# Altium PCB DM3370.PcbDoc (part 6 of 9)
Units mm, origin at the board's own origin, x right, y up, seen from the top; angles counter-clockwise.
Board outline 114.8 x 103.43 mm, 6 copper layers (Top Copper, GND 1, PWR, Signal Layer 1, GND 2, Bottom Copper), stack 1.599 mm thick; 540 components, 427 nets, 2136 pads, 1770 vias.
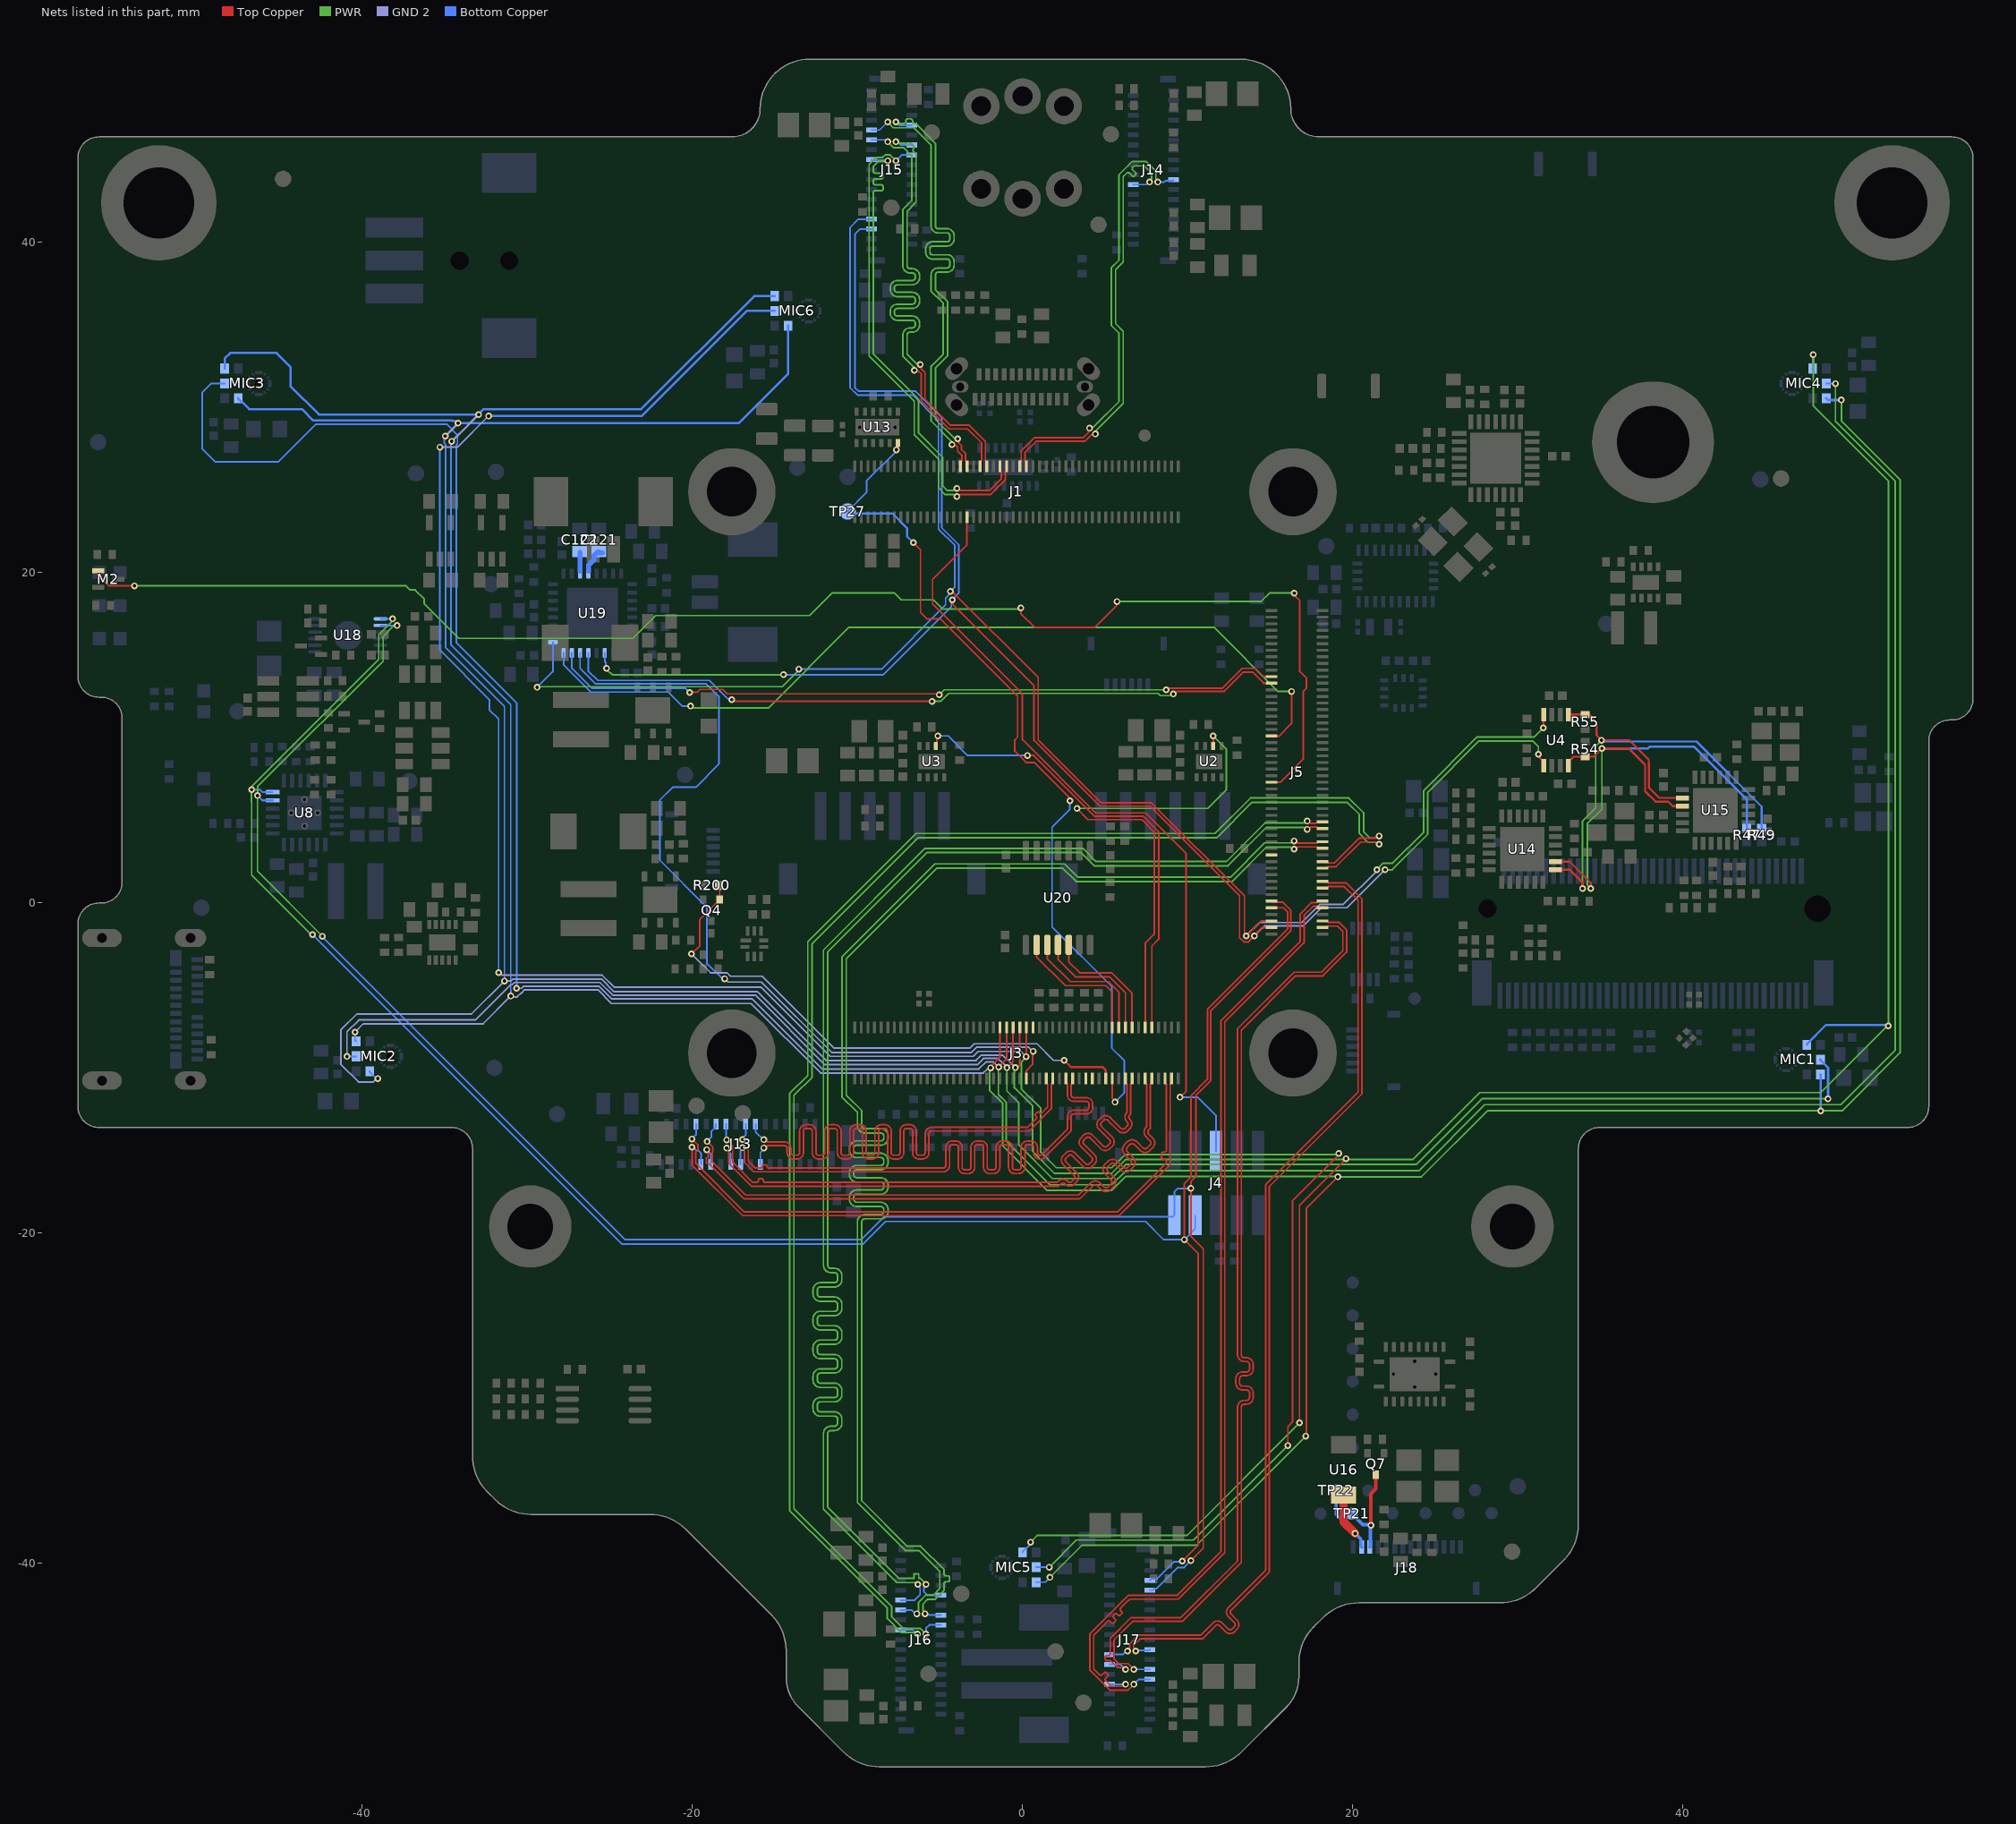
[diagram p10: the nets of this part, all layers, seen from the top]

## Via types
v1: diameter 0.406, hole 0.203, Top Copper to Bottom Copper, tented both sides, 1733 vias
v2: diameter 0.508, hole 0.254, Top Copper to Bottom Copper, 16 vias
v3: diameter 0.5, hole 0.2, Top Copper to Bottom Copper, 13 vias
v4: diameter 0.6, hole 0.3, Top Copper to Bottom Copper, 6 vias
v5: diameter 0.406, hole 0.203, Top Copper to Bottom Copper, 2 vias

## Nets (pads, with @x,y where several pads share a name; then routed paths per layer and width w, separated by ;. In a path a pad name is that pad's centre, name@x,y a point inside that pad or via, vN(x,y) a via of type N, cw(c..) or ccw(c..) an arc to the next point about the centre after c; other vN are vias at no path point) (continued)
I2C3_SCL: J5.96 J15.7 U4.4 U19.9 | length 116.7
  Top Copper w0.102: v1(-4.373,18.856) -4.29,18.856 -4.199,18.764 -4.165,18.764 0.95,13.649 0.95,9.867 4.762,6.055 7.807,6.055 13.443,0.419 13.443,-1.822 13.551,-1.93 v1(13.551,-2.012) ; v1@13.593,-1.956 14.447,-1.101 J5.96@15.092,-1.101 ; v1(31.55,10.6) 31.562,10.612 31.562,11.387 U4.4@31.575,11.4
  PWR w0.102: v1(-29.407,13.051) -29.369,13.089 -14.558,13.089 -13.547,14.099 v1(-13.547,14.156) ; v1(21.465,2.008) 21.857,2.4 22.422,2.4 24.3,4.278 24.3,6.804 27.546,10.05 31,10.05 v1(31.55,10.6)
  GND 2 w0.102: v1@13.506,-2.042 14.352,-1.196 16.916,-1.196 18.016,-0.096 19.435,-0.096 21.465,1.934 v1(21.465,2.008)
  Bottom Copper w0.102: v1(-29.407,13.051) -28.457,14.001 U19.9@-28.457,15.787 ; v1(-13.547,14.156) -8.544,14.156 -4.662,18.038 -4.662,18.449 v1@-4.262,18.85 ; J15.7@-9.15,41.407 -9.943,41.407 -10.45,40.9 -10.45,31.2 -10,30.75 -6.65,30.75 -5.098,29.198 -5.098,22.64 -4.1,21.642 -4.1,19.129 v1@-4.315,18.915
I2C3_SCL_3v3: R49.2 R55.1 U4.1 U14.19 U15.8 | length 34.9
  Top Copper w0.127: U14.19@32.275,2 32.279,1.996 33.166,1.996 33.925,1.237 v1(33.925,0.862) ; U4.1@33.075,11.4 R55.1@34.075,11.4 34.325,11.4 34.775,10.95 34.775,10.15 v1(35.075,9.85) 36.75,9.85 37.934,8.666 37.934,8.458 37.946,8.446 37.946,6.97 38.566,6.35 U15.8@39.975,6.35
  PWR w0.102: v1@33.923,0.86 33.923,4.946 34.72,5.743 34.72,9.495 v1(35.075,9.85)
  Bottom Copper w0.127: v1(35.075,9.85) 35.157,9.768 40.832,9.768 44.775,5.825 R49.2@44.775,4.55
I2C3_SDA: J5.98 J15.5 U4.5 U19.3 | length 109.2
  Top Copper w0.102: v1(-4.262,18.346) -4.225,18.309 -4.225,18.075 0.7,13.149 0.7,9.829 4.678,5.851 7.723,5.851 13.147,0.427 13.147,-2.112 13.403,-2.368 13.698,-2.368 14.046,-2.02 v1(14.046,-2.006) 14.046,-1.954 14.499,-1.501 J5.98@15.092,-1.501 ; v1(31.25,9) 31.308,8.942 31.308,8.817 31.575,8.55 U4.5@31.575,8.3
  PWR w0.102: v1(-25.198,14.207) -25.198,14.129 -24.949,13.88 -24.9,13.88 -24.835,13.816 v1(-14.487,13.816) ; v1(21.961,2) 22.392,2 24.55,4.158 24.55,6.7 27.65,9.8 30.9,9.8 31.25,9.45 v1(31.25,9)
  GND 2 w0.102: v1(14.046,-2.006) 14.394,-1.657 ; 14.395,-1.657 14.652,-1.4 17,-1.4 18.1,-0.3 19.661,-0.3 v1(21.961,2)
  Bottom Copper w0.102: U19.3@-25.307,15.137 -25.307,14.614 -25.256,14.563 -25.256,14.265 v1(-25.198,14.207) ; v1(-14.487,13.816) -14.471,13.8 -8.45,13.8 -4.311,17.939 -4.311,18.228 -4.346,18.263 -3.864,18.744 -3.864,21.694 -4.895,22.725 -4.895,29.395 -6.5,31 -9.95,31 -10.153,31.203 -10.153,40.497 -9.843,40.807 J15.5@-9.15,40.807
I2C3_SDA_3v3: R47.2 R54.1 U4.8 U14.20 U15.9 | length 33.9
  Top Copper w0.127: U14.20@32.275,2.5 32.279,2.496 33.143,2.496 34.425,1.214 v1(34.425,0.862) ; U4.8@33.075,8.3 33.075,8.55 33.375,8.85 R54.1@34.075,8.85 34.596,8.85 35.053,9.307 v1@35.053,9.403 ; U15.9@39.975,5.85 39.39,5.85 39.119,6.121 38.36,6.121 37.717,6.765 37.717,8.352 36.714,9.355 v1(35.101,9.355) ; v1@35.053,9.403 v1(35.101,9.355) ; v1@35.053,9.403 v1(35.101,9.355)
  PWR w0.102: v1(34.425,0.862) 34.425,0.883 34.216,1.092 34.216,4.786 35.101,5.671 v1(35.101,9.355)
  Bottom Copper w0.127: v1(35.101,9.355) 37.89,9.355 37.986,9.45 40.7,9.45 43.875,6.275 R47.2@43.875,4.55
I2C4_SCL: J4.2 J5.90 J17.7 U8.5 U18.2 | length 135.6
  Top Copper w0.102: v1(10.2,-39.85) 10.95,-39.1 10.95,-20.95 10.2,-20.2 v1(10.2,-17.3) 10.2,-16.888 10.5,-16.588 10.5,-11.676 11.404,-10.772 11.404,-6.533 16.254,-1.683 16.254,-0.469 15.736,0.048 15.143,0.048 J5.90@15.092,0.099
  PWR w0.102: v1(-42.416,-2.022) -46.35,1.912 v1(-46.35,6.494) -46.344,6.5 -46.344,7.034 -38.735,14.643 -38.735,16.126 -38.072,16.79 v1(-37.893,16.79)
  Bottom Copper w0.102: v1(-42.416,-2.022) -42.416,-2.051 -24.067,-20.4 -9.789,-20.4 -8.414,-19.025 9.09,-19.025 J4.2@9.191,-18.923 9.191,-17.509 9.4,-17.3 v1(10.2,-17.3) ; U18.2@-38.89,16.8 -38.884,16.795 -37.898,16.795 v1(-37.893,16.79) ; J17.7@7.713,-41.635 7.888,-41.635 7.987,-41.536 8.13,-41.536 9.409,-40.257 9.793,-40.257 v1(10.2,-39.85)
  Bottom Copper w0.127: v1(-46.35,6.494) -46.056,6.2 U8.5@-45.435,6.2
I2C4_SDA: J4.4 J5.92 J17.5 U8.6 U18.1 | length 137.5
  Top Copper w0.102: v1(9.669,-39.877) 10.628,-38.919 10.628,-21.228 v1(9.8,-20.4) 9.8,-17 10.206,-16.594 10.206,-11.682 11.2,-10.688 11.2,-6.449 16.05,-1.599 16.05,-0.554 15.797,-0.301 J5.92@15.092,-0.301
  PWR w0.102: v1(-43.018,-1.923) -43.089,-1.923 -46.7,1.688 -46.7,6.1 -46.706,6.106 -46.706,7.044 -39.007,14.743 -39.007,16.243 -38.17,17.08 v1(-38.17,17.2)
  Bottom Copper w0.102: v1(-46.7,6.85) -46.197,6.85 -46.047,6.7 U8.6@-45.435,6.7 ; v1(-43.018,-1.923) -24.266,-20.675 -9.675,-20.675 -8.3,-19.3 7.45,-19.3 8.55,-20.4 v1@9.805,-20.4 ; U18.1@-38.89,17.2 v1(-38.17,17.2) ; J17.5@7.713,-41.035 7.794,-40.954 8.119,-40.954 9.155,-39.917 9.63,-39.917 v1(9.669,-39.877) ; v1(9.8,-20.4) v1@9.805,-20.4 ; v1@9.805,-20.4 J4.4@10.461,-19.743 ; v1@9.805,-20.4 J4.4@10.461,-19.743 ; J4.4@10.461,-19.743 J4.4@10.461,-18.923 J4.4@10.461,-19.743
I2S0_I/O_SD0: J3.49 MIC1.6 MIC2.6 | length 107.8
  Top Copper w0.102: v1(-0.95,-9.986) -0.936,-9.986 -0.58,-9.63 -0.58,-7.555 J3.49@-0.577,-7.552
  PWR w0.102: v1(-0.95,-9.986) -0.95,-11.4 -0.229,-12.121 -0.229,-14.671 1.801,-16.701 5.4,-16.701 6.25,-15.851 23.852,-15.851 27.852,-11.851 v1@48.8,-11.851
  GND 2 w0.102: v1(-40.926,-9.311) -40.926,-7.812 -40.208,-7.094 -33.144,-7.094 -31.013,-4.963 -30.934,-4.963 -30.797,-4.827 -25.601,-4.827 -24.832,-5.596 -16.194,-5.596 -11.985,-9.806 -2.742,-9.806 -2.363,-9.427 -1.486,-9.427 -1.318,-9.595 -1.298,-9.595 -0.943,-9.95 v1@-0.943,-9.979
  Bottom Copper w0.102: v1(-40.926,-9.311) -40.385,-9.311 MIC2.6@-40.374,-9.3
  Bottom Copper w0.14: MIC1.6@48.339,-9.5 48.339,-9.539 48.8,-10 v1(48.8,-11.871)
I2S0_I/O_SD1: J3.47 MIC3.6 MIC4.6 | length 196.8
  Top Copper w0.102: v1(-1.445,-9.951) -1.445,-9.929 -0.968,-9.452 J3.47@-0.968,-7.561
  PWR w0.102: v1(-1.445,-9.951) -1.466,-9.971 -1.466,-11.596 -0.996,-12.066 -0.996,-14.435 1.645,-17.076 5.4,-17.076 6.25,-16.226 24.008,-16.226 28.008,-12.226 49.574,-12.226 52.862,-8.938 52.862,25.553 49.25,29.166 v1(49.25,31.45)
  GND 2 w0.102: v1(-30.65,-5.182) -30.644,-5.177 -30.356,-5.177 -30.246,-5.067 -25.649,-5.067 -24.891,-5.825 -16.381,-5.825 -12.137,-10.069 -2.647,-10.069 -2.208,-9.63 -1.785,-9.63 -1.465,-9.951 v1(-1.445,-9.951)
  Bottom Copper w0.102: MIC3.6@-48.339,31.459 -49.141,31.459 -49.7,30.9 -49.7,27.5 -48.9,26.7 -45.1,26.7 -42.807,28.993 -34.893,28.993 -34.233,28.333 -34.233,27.808 -34.311,27.73 -34.311,15.776 -30.65,12.115 v1(-30.65,-5.182) ; MIC4.6@48.689,31.459 48.698,31.45 v1(49.25,31.45)
I2S0_I/O_SD2: J3.53 MIC5.6 MIC6.6 | length 155.5
  Top Copper w0.102: v1(0.217,-9.313) 0.22,-9.31 0.22,-7.555 J3.53@0.223,-7.552 ; v1(16.071,-32.871) 16.071,-31.729 16.35,-31.45 16.35,-18.05 19.15,-15.25 v1(19.15,-15.182)
  PWR w0.102: v1(0.217,-9.313) 0.217,-9.353 -0.07,-9.64 -0.07,-11.28 1.1,-12.45 1.1,-15.104 2.046,-16.05 5.4,-16.05 6.198,-15.252 18.938,-15.252 18.95,-15.24 19.092,-15.24 v1(19.15,-15.182) ; v1(1.613,-40.245) 3.258,-38.6 10.342,-38.6 v1(16.071,-32.871)
  GND 2 w0.102: v1(-35.3,27.6) -34.229,27.6 v1(-32.35,29.479) ; v1(-31.742,-4.232) -31.677,-4.232 -31.53,-4.38 -25.472,-4.38 -24.746,-5.107 -15.856,-5.107 -11.663,-9.3 -2.993,-9.3 -2.693,-9 -0.096,-9 v1(0.217,-9.313)
  Bottom Copper w0.102: v1(-35.3,27.6) -35.3,15.3 -32.3,12.3 -32.3,11.688 -31.742,11.129 v1(-31.742,-4.232) ; MIC5.6@0.824,-40.25 0.829,-40.245 v1(1.613,-40.245)
  Bottom Copper w0.14: v1(-32.35,29.479) -23.071,29.479 -16.7,35.85 MIC6.6@-15.024,35.85
I2S0_I/O_SD3: J3.55
I2S0_SCK: J3.51 MIC1.4 MIC2.4 MIC3.4 MIC4.4 MIC5.4 MIC6.4 | length 274.1
  Top Copper w0.102: v1@-0.261,-9.931 -0.168,-9.838 J3.51@-0.168,-7.561 ; v1(16.774,-31.503) 16.774,-18.321 v1(19.6,-15.495)
  PWR w0.102: v1@-0.5,-9.989 -0.5,-11.2 0.61,-12.31 0.61,-15.067 1.931,-16.387 5.4,-16.387 6.25,-15.537 v1@19.6,-15.537 ; v1(0.481,-38.722) 0.879,-38.324 9.96,-38.324 v1@16.774,-31.51 ; v1(19.6,-15.495) 19.642,-15.537 23.663,-15.537 27.705,-11.495 48.355,-11.495 52.45,-7.4 52.45,25.553 47.9,30.103 v1(47.9,33.2)
  GND 2 w0.102: v1(-39.056,-10.645) -39.138,-10.645 -39.343,-10.85 -40.229,-10.85 -41.304,-9.776 -41.304,-7.706 -40.336,-6.738 -33.388,-6.738 v1(-31.386,-4.736) ; v1@-31.381,-4.74 -30.999,-4.74 -30.882,-4.623 -25.517,-4.623 -24.766,-5.374 -16.076,-5.374 -11.9,-9.55 -2.817,-9.55 -2.49,-9.223 -1.21,-9.223 -0.444,-9.989 v1(-0.436,-9.989)
  GND 2 w0.14: v1(-34.978,28.261) -34.978,28.267 -34.2,29.045 v1(-34.2,29.05)
  Bottom Copper w0.102: MIC2.4@-39.552,-10.2 -39.552,-10.239 -39.204,-10.587 -39.114,-10.587 v1(-39.056,-10.645) ; v1(-34.978,28.261) -35.036,28.203 -35.036,28.052 -35.039,28.049 -35.039,27.842 -34.944,27.747 -34.944,15.459 -31.386,11.901 v1(-31.386,-4.736) ; MIC5.4@0.002,-39.35 0.002,-39.311 0.423,-38.89 0.423,-38.78 v1(0.481,-38.722)
  Bottom Copper w0.14: MIC3.4@-47.517,30.559 -47.517,30.52 -47.326,30.329 -47.287,30.329 -46.856,29.898 -43.648,29.898 -42.965,29.215 -34.565,29.215 -34.55,29.2 -34.422,29.2 -34.272,29.05 v1(-34.2,29.05) -17.2,29.05 -14.202,32.048 MIC6.4@-14.202,34.95 ; MIC1.4@47.517,-8.6 47.517,-8.561 48.678,-7.4 52.4,-7.4 v1(52.45,-7.45) ; MIC4.4@47.867,32.359 47.9,32.392 v1(47.9,33.2)
I2S0_WS: J3.45 MIC1.1 MIC2.1 MIC3.1 MIC4.1 MIC5.1 MIC6.1 | length 266.5
  Top Copper w0.102: v1(-1.939,-9.997) -1.939,-9.924 -1.38,-9.366 -1.38,-7.555 J3.45@-1.377,-7.552 ; v1@17.194,-32.256 17.194,-18.506 v1(19.1,-16.6)
  PWR w0.102: v1(-1.939,-9.997) -1.997,-10.055 -1.997,-10.205 -2,-10.209 -2,-11.35 -1.2,-12.15 -1.2,-14.721 1.502,-17.423 5.4,-17.423 6.25,-16.573 19.073,-16.573 v1(19.1,-16.6) 24.163,-16.6 28.163,-12.6 v1(48.35,-12.6) 49.65,-12.6 53.158,-9.092 53.158,25.642 49.606,29.194 v1(49.606,30.45) ; v1(1.661,-40.862) 3.612,-38.911 10.539,-38.911 v1(17.15,-32.3)
  GND 2 w0.102: v1(-40.441,-7.831) -39.945,-7.334 -32.684,-7.334 v1(-31,-5.65) -30.944,-5.706 -30.625,-5.706 -30.386,-5.467 -30.358,-5.467 -30.162,-5.27 -25.734,-5.27 -24.904,-6.1 -16.447,-6.1 -12.235,-10.312 -2.377,-10.312 -2.15,-10.085 -2.109,-10.085 -2.021,-9.997 v1(-1.939,-9.997)
  GND 2 w0.14: v1(-34.588,27.956) -34.564,27.956 -33.575,28.945 -33.575,28.95 v1(-32.95,29.575)
  Bottom Copper w0.102: v1(-40.441,-7.831) -40.441,-8.333 MIC2.1@-40.374,-8.4 ; v1(-34.588,27.956) -34.628,27.916 -34.628,15.63 -31.009,12.011 -31.009,-5.326 -31,-5.336 v1(-31,-5.65) ; MIC5.1@0.824,-41.15 1.373,-41.15 v1(1.661,-40.862)
  Bottom Copper w0.14: MIC3.1@-48.339,32.359 -48.339,32.961 -48,33.3 -45.2,33.3 -44.35,32.45 -44.35,31.3 -42.625,29.575 v1(-32.95,29.575) -32.95,29.605 -32.654,29.901 -23.099,29.901 -16.25,36.75 MIC6.1@-15.024,36.75 ; MIC1.1@48.339,-10.4 48.35,-10.411 v1(48.35,-12.6) ; MIC4.1@48.689,30.559 48.798,30.45 v1(49.606,30.45)
I2S1_O_SD0: J3.54 U19.6 | length 53.7
  Top Copper w0.102: J3.54@0.232,-10.641 0.232,-10.168 0.6,-9.8 0.6,-9.032 v1(0.641,-8.991)
  GND 2 w0.102: v1(-18.042,-4.6) -18.03,-4.6 -17.83,-4.8 -15.826,-4.8 -11.561,-9.064 -3.101,-9.064 -2.791,-8.754 0.367,-8.754 v1@0.604,-8.991
  Bottom Copper w0.102: U19.6@-26.807,15.137 -26.807,14.207 -25.863,13.263 -19.163,13.263 -18.4,12.5 -18.4,8.4 -19.8,7 -21.2,7 -21.97,6.23 -21.97,2.57 -19.125,-0.275 -19.125,-3.656 -18.239,-4.542 -18.1,-4.542 v1(-18.042,-4.6)
I2S1_SCK: J5.22 U19.7 | length 45
  Top Copper w0.102: v1(-20.166,12.733) -20.144,12.756 -19.71,12.756 -19.537,12.929 -18.159,12.929 -17.884,12.654 -5.104,12.654 v1(-5.052,12.602) ; v1(8.7,12.9) 8.782,12.9 8.886,13.004 12.104,13.004 13.3,14.2 14.1,14.2 14.601,13.699 J5.22@15.092,13.699
  PWR w0.102: v1(-5.052,12.602) -4.753,12.9 v1(8.7,12.9)
  Bottom Copper w0.102: U19.7@-27.307,15.137 -27.307,14.207 -26.1,13 -20.433,13 v1(-20.166,12.733)
I2S1_WS: J5.24 U19.5 | length 44.4
  Top Copper w0.102: v1(-17.619,12.298) -17.536,12.298 -17.438,12.2 v1(-5.489,12.2) ; v1(9.126,12.648) 9.199,12.648 9.351,12.8 12.2,12.8 13.379,13.979 13.921,13.979 14.601,13.299 J5.24@15.092,13.299
  PWR w0.102: v1(-5.489,12.2) -4.95,12.2 -4.469,12.681 8.203,12.681 8.34,12.544 8.94,12.544 9.044,12.648 v1(9.126,12.648)
  Bottom Copper w0.102: U19.5@-26.307,15.137 -26.307,14.037 -25.736,13.466 -18.966,13.466 -17.857,12.357 -17.677,12.357 v1(-17.619,12.298)
IO78: J5.76
KB_PG: J1.36 J4.5 | length 49.1
  Top Copper w0.102: J1.36@-3.368,23.359 -3.373,23.354 -3.373,21.677 -5.45,19.6 -5.45,18.1 -0.012,12.662 -0.012,9.887 4.423,5.452 4.457,5.452 4.465,5.444 7.447,5.444 9.911,2.98 9.911,-11.401 9.544,-11.768 v1(9.544,-11.774)
  Bottom Copper w0.102: v1(9.544,-11.774) 10.605,-11.774 11.731,-12.9 J4.5@11.731,-15.023
KBIO_40: J3.80 TP27.1 U13.6 | length 53.2
  Top Copper w0.102: v1(-7.65,27.436) -7.6,27.487 -7.6,27.8 U13.6@-7.55,27.85 ; v1(-6.618,21.815) -6.18,21.377 -6.18,17.58 -5.8,17.2 -4.981,17.2 -0.3,12.519 -0.3,10.04 -0.47,9.871 -0.47,9.177 0.208,8.5 0.707,8.5 2.809,6.399 2.809,6.241 v1(2.867,6.183) ; J3.80@5.432,-10.641 5.432,-11.823 5.601,-11.992 v1(5.601,-12.075)
  Bottom Copper w0.102: TP27.1@-10.6,23.7 -9.45,24.85 -9.45,25.56 -8.61,26.4 -8.604,26.4 -7.65,27.354 v1(-7.65,27.436) ; v1(2.867,6.183) 2.867,5.667 1.789,4.589 1.789,-1.467 5.406,-5.083 5.406,-8.806 6.156,-9.556 6.156,-11.52 v1(5.601,-12.075)
  Bottom Copper w0.127: TP27.1@-10.6,23.7 -10.48,23.58 -7.88,23.58 -7,22.7 -7,22.197 v1(-6.618,21.815)
KBIO_41: J3.89 U2.6 | length 31
  Top Copper w0.102: v1(3.292,5.716) 3.292,5.708 3.96,5.04 4.293,5.04 4.296,5.037 7.225,5.037 7.978,4.284 7.978,-1.906 7.432,-2.452 J3.89@7.432,-7.561 ; U2.6@11.55,9.6 v1(11.55,10.107) v1@11.55,10.178
  PWR w0.102: v1(3.292,5.716) 11.217,5.716 12.35,6.85 12.35,9.307 v1(11.55,10.107)
KBIO_42: J3.83 U20.4 | length 7.9
  Top Copper w0.102: U20.4@2.15,-2.55 2.15,-3.426 3.209,-4.485 5.262,-4.485 6.232,-5.455 J3.83@6.232,-7.561
KBIO_43: J3.85 U20.5 | length 7.7
  Top Copper w0.102: U20.5@2.8,-2.55 2.8,-3.573 3.462,-4.236 5.388,-4.236 6.632,-5.48 J3.85@6.632,-7.561
KBIO_44: J3.78 Q4.1 R200.2 | length 33.4
  Top Copper w0.102: v1(-20.053,-3.092) -19.556,-2.594 -19.556,-1.006 -19.2,-0.65 Q4.1@-18.5,0.05 ; Q4.1@-18.35,0.2 R200.2@-18.35,1.1
  Top Copper w0.127: v1(2.525,-9.542) 2.926,-9.943 4.843,-9.943 5.032,-10.132 J3.78@5.032,-10.641
  GND 2 w0.102: v1(-20.053,-3.092) -19.668,-3.476 -18.9,-4.244 -17.895,-4.244 -17.689,-4.45 -15.767,-4.45 -11.417,-8.8 -3.2,-8.8 -2.941,-8.541 0.879,-8.541 1.88,-9.542 v1(2.525,-9.542)
KBIO_45: J3.91 U3.6 | length 28.5
  Top Copper w0.102: U3.6@-5.25,9.5 -5.19,9.56 -5.19,10.048 v1(-5.131,10.106) ; v1(0.291,8.923) 0.664,8.923 4.339,5.248 4.373,5.248 4.38,5.24 7.31,5.24 8.245,4.305 8.245,-2.205 7.832,-2.618 J3.91@7.832,-7.561
  Bottom Copper w0.102: v1(-5.131,10.106) -4.506,10.106 -3.323,8.923 v1(0.291,8.923)
KBIO_46: J3.79 U20.2 | length 8.4
  Top Copper w0.102: U20.2@0.85,-2.55 0.85,-3.274 2.591,-5.015 5.052,-5.015 5.432,-5.395 J3.79@5.432,-7.561
KBIO_47: J3.81 U20.3 | length 8.2
  Top Copper w0.102: U20.3@1.5,-2.55 1.5,-3.381 2.893,-4.774 5.204,-4.774 5.832,-5.403 J3.81@5.832,-7.561
LED_2: J5.54 M2.1 | length 90.7
  Top Copper w0.102: M2.1@-56,20.1 -56.007,20.093 -56.007,19.857 -55.35,19.2 v1(-53.8,19.2) ; v1(-0.101,17.856) v1(-0.101,17.856) -0.1,17.5 0.718,16.682 4.382,16.682 5.691,17.991 5.691,18.213 v1(5.73,18.252) ; J5.54@15.092,7.299 15.599,7.299 17,8.7 17,12.8 17.2,13 17.2,13.6 16.8,14 16.8,18.3 16.518,18.582 16.518,18.701 v1(16.46,18.76)
  PWR w0.102: v1(-53.8,19.2) -37.343,19.2 -37.099,18.956 -36.803,18.956 -36.244,18.397 -36.244,18.101 -34.157,16.014 -23.622,16.014 -22.235,17.4 -12.9,17.4 -11.531,18.769 -7.769,18.769 -7.345,18.345 -5.398,18.345 -4.853,17.8 -0.157,17.8 v1(-0.101,17.856) ; v1(5.73,18.252) 14.452,18.252 14.96,18.76 v1(16.46,18.76)
LED_A: J18.13 TP22.1 U16.2 | length 6.7
  Top Copper w0.5: U16.2@19.45,-35.875 19.45,-37.5 v1(20.15,-38.2)
  Bottom Copper w0.2: TP22.1@19,-35.6 19,-37.05 v1(20.15,-38.2) 20.487,-38.537 20.487,-38.972 J18.13@20.537,-39.022
LED_K: J18.12 Q7.3 TP21.1 | length 6
  Top Copper w0.2: v1(21.1,-37.7) 21.1,-35.8 21.4,-35.5 Q7.3@21.4,-34.65
  Bottom Copper w0.2: TP21.1@19.95,-37 20.611,-37.661 21.061,-37.661 v1(21.1,-37.7) 21.069,-37.731 21.069,-38.991 J18.12@21.037,-39.022
LLS+: C122.1 U19.19 | length 1.1
  Bottom Copper w0.3: U19.19@-26.812,20.087 C122.1@-26.812,21.233
LLS-: C121.1 U19.20 | length 1.7
  Bottom Copper w0.3: U19.20@-26.282,20.087 -26.282,20.462 -25.957,20.787 -25.957,21.037 -25.757,21.237 C121.1@-25.657,21.237 ; C121.1@-25.657,21.187 C121.1@-25.457,21.187
MCLK: J5.40 U19.8 | length 53
  Top Copper w0.102: J5.40@15.092,10.099 15.099,10.092 15.535,10.092 16.3,10.857 v1(16.3,12.8)
  PWR w0.102: v1(-20.113,11.911) -20.031,11.911 -19.92,11.8 -15.4,11.8 -10.518,16.682 11.604,16.682 15.485,12.8 v1(16.3,12.8)
  Bottom Copper w0.102: U19.8@-27.807,15.137 -27.807,14.419 -26.151,12.763 -21.477,12.763 -20.624,11.911 v1(-20.113,11.911)
MIPI_RX0_C_N: J3.84 J13.20 | length 39.2
  Top Copper w0.101: v1(-17.928,-14.36) -17.85,-14.36 -17.85,-14.431 -17.565,-14.716 -17.565,-15.705 -16.335,-16.936 -16.159,-16.936 -16.109,-16.936 ccw(c-16.109,-16.835) -16.008,-16.835 -16.008,-16.808 cw(c-15.917,-16.808) -15.917,-16.717 -15.795,-16.717 cw(c-15.795,-16.808) -15.704,-16.808 -15.704,-16.835 ccw(c-15.603,-16.835) -15.603,-16.936 -15.28,-16.936 0.764,-16.936 2.09,-16.936 2.17,-16.855 cw(c2.444,-17.129) 2.718,-16.855 2.748,-16.885 ; 2.748,-16.885 ccw(c2.861,-16.772) 2.974,-16.885 3.124,-16.735 ccw(c3.011,-16.622) 3.124,-16.509 2.467,-15.852 cw(c2.742,-15.578) 2.467,-15.304 2.618,-15.153 cw(c2.892,-15.427) 3.166,-15.153 3.823,-15.81 ccw(c3.936,-15.697) 4.049,-15.81 4.199,-15.66 ccw(c4.087,-15.547) 4.199,-15.434 3.542,-14.777 cw(c3.817,-14.503) 3.542,-14.229 3.693,-14.078 cw(c3.967,-14.352) 4.241,-14.078 4.898,-14.735 ccw(c5.011,-14.622) 5.124,-14.735 5.275,-14.585 ccw(c5.162,-14.472) 5.275,-14.359 4.618,-13.702 cw(c4.892,-13.428) 4.618,-13.154 4.768,-13.003 cw(c5.042,-13.277) 5.316,-13.003 5.973,-13.66 ccw(c6.086,-13.547) 6.199,-13.66 6.35,-13.509 ccw(c6.237,-13.397) 6.35,-13.284 6.32,-13.254 cw(c6.594,-12.98) 6.318,-12.707 6.318,-11.816 6.318,-10.987 6.232,-10.901 J3.84@6.232,-10.641
  Bottom Copper w0.101: J13.20@-17.975,-13.4 -17.951,-13.424 -17.951,-14.337 v1(-17.928,-14.36)
MIPI_RX0_C_P: J3.86 J13.19 | length 39.2
  Top Copper w0.101: v1(-17.928,-14.856) -17.928,-14.933 -17.793,-15.067 -17.793,-15.8 -16.429,-17.164 0.783,-17.164 2.184,-17.164 2.331,-17.016 cw(c2.444,-17.129) 2.557,-17.016 2.587,-17.046 ccw(c2.861,-16.772) 3.135,-17.046 3.286,-16.896 ccw(c3.011,-16.622) 3.286,-16.348 2.629,-15.691 cw(c2.742,-15.578) 2.629,-15.465 2.779,-15.314 cw(c2.892,-15.427) 3.005,-15.314 3.662,-15.971 ccw(c3.936,-15.697) 4.21,-15.971 4.361,-15.821 ccw(c4.087,-15.547) 4.361,-15.273 3.704,-14.616 cw(c3.817,-14.503) 3.704,-14.39 3.854,-14.239 cw(c3.967,-14.352) 4.08,-14.239 4.737,-14.896 ccw(c5.011,-14.622) 5.285,-14.896 5.436,-14.746 ccw(c5.162,-14.472) 5.436,-14.198 4.779,-13.541 cw(c4.892,-13.428) 4.779,-13.315 4.929,-13.164 cw(c5.042,-13.277) 5.155,-13.164 5.812,-13.821 ccw(c6.086,-13.547) 6.36,-13.821 6.511,-13.671 ccw(c6.237,-13.397) 6.511,-13.122 6.481,-13.092 cw(c6.594,-12.98) 6.481,-12.867 6.546,-12.801 6.546,-12.044 6.546,-10.987 6.632,-10.901 J3.86@6.632,-10.641
  Bottom Copper w0.101: v1(-17.928,-14.856) -17.928,-14.938 -17.682,-15.183 J13.19@-17.682,-15.85
MIPI_RX0_D0_N: J3.96 J13.26 | length 39.2
  Top Copper w0.101: v1(-20.025,-14.305) -20.018,-14.305 -19.67,-14.653 -19.67,-14.947 -19.797,-15.074 -19.797,-15.786 -16.861,-18.722 5.756,-18.722 8.718,-15.76 8.718,-15.709 8.718,-15.659 ccw(c8.589,-15.659) 8.589,-15.529 8.543,-15.529 cw(c8.543,-15.4) 8.413,-15.4 8.413,-15.228 cw(c8.543,-15.228) 8.543,-15.099 8.589,-15.099 ccw(c8.589,-14.97) 8.718,-14.97 8.718,-14.276 8.718,-10.987 8.632,-10.901 J3.96@8.632,-10.641
  Bottom Copper w0.101: v1(-20.025,-14.305) v1(-20.025,-14.305) -19.775,-14.053 J13.26@-19.775,-13.4
MIPI_RX0_D0_P: J3.98 J13.25 | length 39.2
  Top Copper w0.101: v1(-20.025,-14.8) -20.025,-15.074 -20.025,-15.88 -16.955,-18.95 5.85,-18.95 8.946,-15.854 8.946,-10.987 9.032,-10.901 J3.98@9.032,-10.641